# Altium PCB PcbForControllerMPPT.PcbDoc
Units mm, origin at the board's own origin, x right, y up, seen from the top; angles counter-clockwise.
Board outline 100 x 50 mm, 2 copper layers (Top Layer, Bottom Layer), stack 1.58 mm thick; 120 components, 74 nets, 443 pads, 0 vias.
Unrouted connection lines stored in the file: 279.
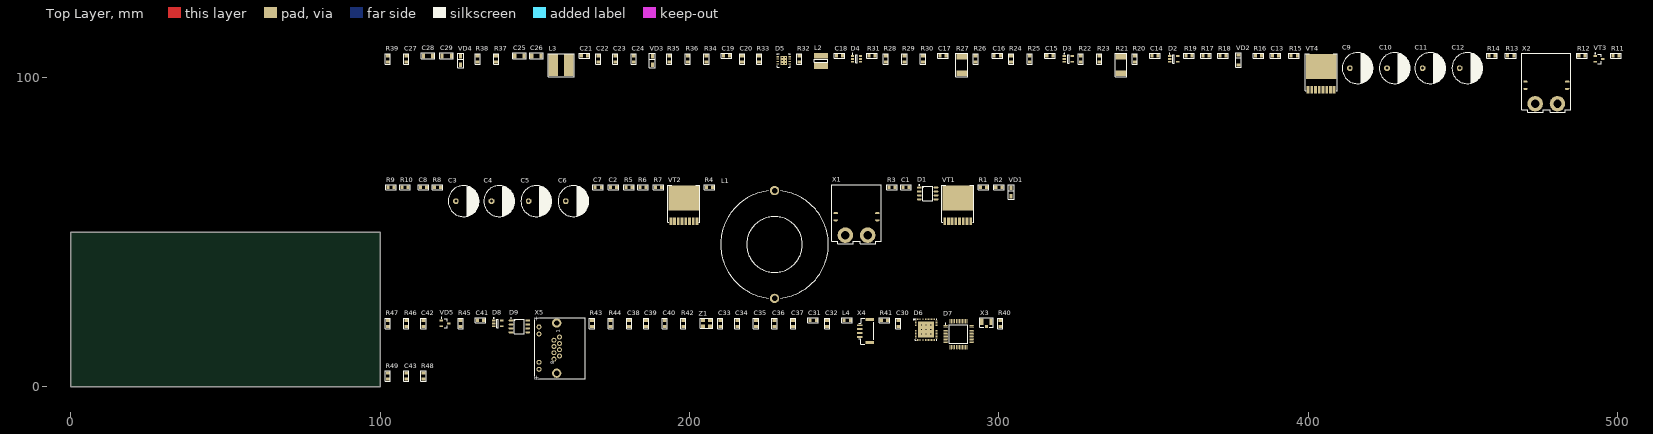
[diagram p0: Top Layer view]
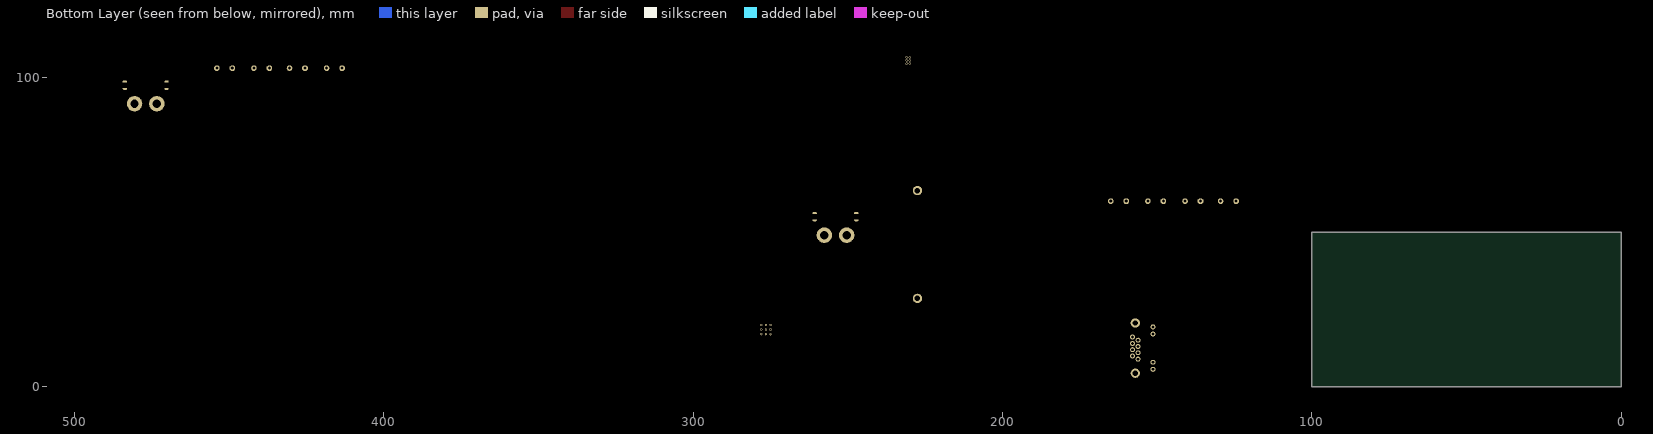
[diagram p1: Bottom Layer view, seen from below]

## Layer stack, top to bottom
Top Solder: solder mask 0.0102, Solder Resist, Dk 3.5
Top Layer: signal copper 0.0356
Dielectric 1: dielectric 1.509, FR-4, Dk 4.8
Bottom Layer: signal copper 0.0356
Bottom Solder: solder mask 0.0102, Solder Resist, Dk 3.5

## Board outline
0,0 100,0 100,50 0,50

## Design rules (kind name [scope] priority, off if disabled: settings)
BoardOutlineClearance [All] p1: gap=0.3 ignorepadtopadclearanceinfootprint=FALSE
Clearance Clearance_MultiLayerPad [OnLayer('Multi-Layer') and IsPad] p1: gap=0.2 ignorepadtopadclearanceinfootprint=FALSE except(0: Arc-Hole Track-Hole SMDPad-Hole THPad-Hole Via-Hole Fill-Hole Poly-Hole Region-Hole Text-Hole)
Clearance Clearance_Polygon [InPolygon] p2: gap=0.15 ignorepadtopadclearanceinfootprint=FALSE except(0: Arc-Hole Track-Hole SMDPad-Hole THPad-Hole Via-Hole Fill-Hole Poly-Hole Region-Hole Text-Hole; 0.2: Arc-Poly Arc-Region Track-Poly Track-Region SMDPad-Poly SMDPad-Region THPad-Poly THPad-Region Via-Poly Via-Region Fill-Poly Fill-Region Poly-Poly Poly-Region)
Clearance [All] p3: gap=0.15 ignorepadtopadclearanceinfootprint=FALSE except(0: Arc-Hole Track-Hole SMDPad-Hole THPad-Hole Via-Hole Fill-Hole Poly-Hole Region-Hole Text-Hole)
ComponentClearance [All] p1: gap=0.5 collisioncheckmode=3 verticalgap=0.5 showdistances=FALSE
DiffPairsRouting [All] p1: maxlimit=0.4 minlimit=0.15 mostfreqgap=0.3 toplayer_minwidth=0.15 toplayer_maxwidth=0.3 toplayer_prefwidth=0.15 bottomlayer_minwidth=0.15 bottomlayer_maxwidth=0.3 bottomlayer_prefwidth=0.15 maxuncoupledlength=12.7
Height [All] p1: minheight=0 maxheight=50 prefheight=12.7
HoleSize [All] p1: absolutevalues=TRUE maxlimit=10 minlimit=0.3 maxpercent=80.000 minpercent=20.000
HoleToHoleClearance [All] p1: gap=0.3 allowstackedmicrovias=TRUE
MinimumSolderMaskSliver [All] p1: minsoldermaskwidth=0.2
PlaneClearance [All] p1: clearance=0.5
PlaneConnect [All] p1: planeconnectstyle=Relief reliefexpansion=0.5 reliefentries=4 reliefconductorwidth=0.3 reliefairgap=0.2
PolygonConnect PolygonConnect_PadGND [InNet('GND') and IsPad] p1: connectstyle=Relief reliefconductorwidth=0.3 reliefentries=4 polygonreliefangle="90 Angle" airgapwidth=0.2
PolygonConnect PolygonConnect_Via [IsVia] p2: connectstyle=Direct reliefconductorwidth=0.254 reliefentries=4 polygonreliefangle="90 Angle" airgapwidth=0.254
PolygonConnect [All] p3: connectstyle=Relief reliefconductorwidth=0.3 reliefentries=4 polygonreliefangle="90 Angle" airgapwidth=0.2
RoutingVias [All] p1: holewidth=0.3 width=0.7 viastyle="Through Hole" minholewidth=0.3 minwidth=0.6 maxholewidth=0.5 maxwidth=1.2
SilkToSolderMaskClearance [IsPad] p1: minsilkscreentomaskgap=0.2 clearancetoexposedcopper=TRUE
SolderMaskExpansion [All] p1: expansion=0.075 istentingtop=FALSE
Width [All] p1: maxlimit=10 minlimit=0.15 preferedwidth=0.15
21 further rules are at their usual default settings.

## Classes and differential pairs
component class PowerConverter: C1 C2 C3 C4 C5 C6 C7 C8 C9 C10 C11 C12 C13 C14 C15 C16 C17 C18 C19 C20 C21 C22 C23 C24 C25 C26 C27 C28 C29 D1 D2 D3 D4 D5 L1 L2 L3 R1 R2 R3 R4 R5 R6 R7 R8 R9 R10 R11 R12 R13 R14 R15 R16 R17 R18 R19 R20 R21 R22 R23 R24 R25 R26 R27 R28 R29 R30 R31 R32 R33 R34 R35 R36 R37 R38 R39 VD1 VD2 VD3 VD4 VT1 VT2 VT3 VT4 X1 X2
component class ControlDSP: C30 C31 C32 C33 C34 C35 C36 C37 C38 C39 C40 C41 C42 C43 D6 D7 D8 D9 L4 R40 R41 R42 R43 R44 R45 R46 R47 R48 R49 VD5 X3 X4 X5 Z1

## Components (designator, comment, footprint, x,y, rotation, side; value= is the part's Value field where it differs from the comment)
C1 "Ceramic capacitor, 0.47μF, X7R, ±10%, 25V, 805, -55...+125°C" "CAP: 0805" 269.999,64.5 r0 top value=0.47μF
C2 "Ceramic capacitor, 2.2μF, X7R, ±10%, 25V, 805, -55...+125°C" "CAP: 0805" 175.499,64.5 r0 top value=2.2μF
C3 "Solid polymer capacitor, 330μF, 35V, ±20%, 18mOhm, 13x10x5 mm, -55...+105°C" "CAP: D10C5H12.5" 126.999,60 r0 top value=330μF
C4 "Solid polymer capacitor, 330μF, 35V, ±20%, 18mOhm, 13x10x5 mm, -55...+105°C" "CAP: D10C5H12.5" 138.499,60 r0 top value=330μF
C5 "Solid polymer capacitor, 330μF, 35V, ±20%, 18mOhm, 13x10x5 mm, -55...+105°C" "CAP: D10C5H12.5" 150.499,60 r0 top value=330μF
C6 "Solid polymer capacitor, 330μF, 35V, ±20%, 18mOhm, 13x10x5 mm, -55...+105°C" "CAP: D10C5H12.5" 162.499,60 r0 top value=330μF
C7 "Ceramic capacitor, 1μF, X7R, ±10%, 50V, 805, -55...+125°C" "CAP: 0805" 170.499,64.5 r0 top value=1μF
C8 "Ceramic capacitor, 0.01μF, X7R, ±10%, 50V, 805, -55...+125°C" "CAP: 0805" 114,64.5 r0 top value=0.01μF
C9 "Solid polymer capacitor, 68μF, 63V, ±20%, 25mOhm, 13x10x5 mm, -55...+105°C" "CAP: D10C5H12.5" 415.999,103 r0 top value=68μF
C10 "Solid polymer capacitor, 68μF, 63V, ±20%, 25mOhm, 13x10x5 mm, -55...+105°C" "CAP: D10C5H12.5" 427.999,103 r0 top value=68μF
C11 "Solid polymer capacitor, 68μF, 63V, ±20%, 25mOhm, 13x10x5 mm, -55...+105°C" "CAP: D10C5H12.5" 439.499,103 r0 top value=68μF
C12 "Solid polymer capacitor, 68μF, 63V, ±20%, 25mOhm, 13x10x5 mm, -55...+105°C" "CAP: D10C5H12.5" 451.499,103 r0 top value=68μF
C13 "Ceramic capacitor, 0.01μF, X7R, ±10%, 50V, 805, -55...+125°C" "CAP: 0805" 389.499,107 r0 top value=0.01μF
C14 "Ceramic capacitor, 470pF, X7R, ±10%, 50V, 805, -55...+125°C" "CAP: 0805" 350.499,107 r0 top value=470pF
C15 "Ceramic capacitor, 0.01μF, X7R, ±10%, 50V, 805, -55...+125°C" "CAP: 0805" 316.499,107 r0 top value=0.01μF
C16 "Ceramic capacitor, 470pF, X7R, ±10%, 50V, 805, -55...+125°C" "CAP: 0805" 299.499,107 r0 top value=470pF
C17 "Ceramic capacitor, 0.01μF, X7R, ±10%, 50V, 805, -55...+125°C" "CAP: 0805" 281.999,107 r0 top value=0.01μF
C18 "Ceramic capacitor, 0.01μF, X7R, ±10%, 50V, 805, -55...+125°C" "CAP: 0805" 248.499,107 r0 top value=0.01μF
C19 "Ceramic capacitor, 0.01μF, X7R, ±10%, 50V, 805, -55...+125°C" "CAP: 0805" 211.999,107 r0 top value=0.01μF
C20 "Ceramic capacitor, 2.2μF, X7R, ±10%, 25V, 805, -55...+125°C" "CAP: 0805" 216.999,106 r90 top value=2.2μF
C21 "Ceramic capacitor, 10μF, X7R, ±10%, 6.3V, 805, -55...+125°C" "CAP: 0805" 165.999,107 r0 top value=10μF
C22 "Ceramic capacitor, 10μF, X7R, ±10%, 6.3V, 805, -55...+125°C" "CAP: 0805" 170.499,106 r90 top value=10μF
C23 "Ceramic capacitor, 0.1μF, X7R, ±10%, 50V, 805, -55...+125°C" "CAP: 0805" 175.999,106 r90 top value=0.1μF
C24 "Ceramic capacitor, 0.1μF, X7R, ±10%, 50V, 805, -55...+125°C" "CAP: 0805" 181.999,106 r90 top value=0.1μF
C25 "Ceramic capacitor, 1μF, X7R, ±10%, 100V, 1206, -55...+125°C" "CAP: 1206" 144.999,107 r0 top value=1μF
C26 "Ceramic capacitor, 1μF, X7R, ±10%, 100V, 1206, -55...+125°C" "CAP: 1206" 150.499,107 r0 top value=1μF
C27 "Ceramic capacitor, 2.2μF, X7R, ±10%, 25V, 805, -55...+125°C" "CAP: 0805" 108.5,106 r90 top value=2.2μF
C28 "Ceramic capacitor, 10μF, X7R, ±10%, 25V, 1206, -55...+125°C" "CAP: 1206" 115.5,107 r0 top value=10μF
C29 "Ceramic capacitor, 10μF, X7R, ±10%, 25V, 1206, -55...+125°C" "CAP: 1206" 121.5,107 r0 top value=10μF
C30 "Ceramic capacitor, 0.1μF, X7R, ±10%, 50V, 805, -55...+125°C" "CAP: 0805" 267.499,20.5 r90 top value=0.1μF
C31 "Ceramic capacitor, 10μF, X7R, ±10%, 6.3V, 805, -55...+125°C" "CAP: 0805" 239.999,21.5 r0 top value=10μF
C32 "Ceramic capacitor, 0.1μF, X7R, ±10%, 50V, 805, -55...+125°C" "CAP: 0805" 244.499,20.5 r90 top value=0.1μF
C33 "Ceramic capacitor, 0.1μF, X7R, ±10%, 50V, 805, -55...+125°C" "CAP: 0805" 209.999,20.5 r90 top value=0.1μF
C34 "Ceramic capacitor, 0.1μF, X7R, ±10%, 50V, 805, -55...+125°C" "CAP: 0805" 215.499,20.5 r90 top value=0.1μF
C35 "Ceramic capacitor, 0.01μF, X7R, ±10%, 50V, 805, -55...+125°C" "CAP: 0805" 221.499,20.5 r90 top value=0.01μF
C36 "Ceramic capacitor, 2.2μF, X7R, ±10%, 25V, 805, -55...+125°C" "CAP: 0805" 227.499,20.5 r90 top value=2.2μF
C37 "Ceramic capacitor, 0.1μF, X7R, ±10%, 50V, 805, -55...+125°C" "CAP: 0805" 233.499,20.5 r90 top value=0.1μF
C38 "Ceramic capacitor, 0.1μF, X7R, ±10%, 50V, 805, -55...+125°C" "CAP: 0805" 180.499,20.5 r90 top value=0.1μF
C39 "Ceramic capacitor, 12pF, NPO, ±5%, 50V, 805, -55...+125°C" "CAP: 0805" 185.999,20.5 r90 top value=12pF
C40 "Ceramic capacitor, 12pF, NPO, ±5%, 50V, 805, -55...+125°C" "CAP: 0805" 191.999,20.5 r90 top value=12pF
C41 "Ceramic capacitor, 0.1μF, X7R, ±10%, 50V, 805, -55...+125°C" "CAP: 0805" 132.499,21.5 r0 top value=0.1μF
C42 "Ceramic capacitor, 0.1μF, X7R, ±10%, 50V, 805, -55...+125°C" "CAP: 0805" 114,20.5 r90 top value=0.1μF
C43 "Ceramic capacitor, 0.01μF, X7R, ±10%, 50V, 805, -55...+125°C" "CAP: 0805" 108.5,3.5 r90 top value=0.01μF
D1 "Half-bridge gate driver, 600V, 500kHz, ±4.3A, supply 9...18V, -40...+125°C, 8-SOIC" 8-SOIC 276.999,62.5 r0 top
D2 "IC op amplifier, Rail-to-Rail, 20 MHz, 2.7...5.5V, -40...+125°C, SOT23-5" SOT23-5 356.499,106 r0 top
D3 "IC op amplifier, Rail-to-Rail, 20 MHz, 2.7...5.5V, -40...+125°C, SOT23-5" SOT23-5 322.499,106 r0 top
D4 "DC/DC buck converter, input 4.5...18V, 1.4MHz, output 0.81...15V, 1.5A, -40...+85°C, SOT23-6" SOT23-6 253.999,106 r0 top
D5 "DC/DC buck converter, input 7.5...100V, 1MHz, output 1.225...90V, 0.6A, -40...+125°C, 8-WSON" "8-WSON (4x4)" 230.499,105.5 r0 top
D6 "IC RF transceiver, 802.11b/g/n + Bluetooth v4.2, 2.4GHz, 32-Bit, Xtensa LX6, 4Mb, 520KB, 2.7...3.6V, -40...+85°C, 48-LGA" "48-LGA (7x7)" 276.499,18.5 r0 top
D7 "IC microcontroller, 32-Bit, Cortex-M4, 72MHz, 16KB, 12KB, 2...3.6V, -40...+85°C, 48-LQFP" 48-LQFP 286.999,17 r0 top
D8 "IC memory, EEPROM, 1KB (128x8), 400 kHz, I2C, 1.7...5.5V, -40...+85°C, SOT-23-5" SOT23-5 137.999,20.5 r0 top
D9 "IC CAN transceiver, 1Mbps, Half-duplex, 3...3.6V, -40...+85°C, 8-SOIC" 8-SOIC 144.999,19.5 r0 top
L1 "Fixed inductor, 40μH, ±10%, R32.8/20.1/10.7, Kool Mu, µ=125, 127 нГн/витков2" "IND: R32.8/20.1/10.7 (L)" 227.499,46 r90 top value=40μH
L2 "Fixed inductor, 4.7μH, ±20%, SDR0403, 1.7A, -40...+125°C" "IND: SDR0403" 242.499,107 r0 top value=4.7μH
L3 "Fixed inductor, 220μH, ±10%, SDR0805, 490mA, -40...+125°C" "IND: SDR0805" 158.499,104 r0 top value=220μH
L4 "Fixed inductor, 10μH, ±20%, 805, 250mA, -55...+125°C" "IND: 0805" 250.999,21.5 r0 top value=10μH
R1 "Resistor film, 2R4, ±5%, 805, 0.125W, -55...+125°C" "RES: 0805" 294.999,64.5 r0 top value=2R4
R2 "Resistor film, 2R4, ±5%, 805, 0.125W, -55...+125°C" "RES: 0805" 299.999,64.5 r0 top value=2R4
R3 "Resistor film, 10k, ±5%, 805, 0.125W, -55...+125°C" "RES: 0805" 265.499,64.5 r0 top value=10k
R4 "Resistor film, 2R4, ±5%, 805, 0.125W, -55...+125°C" "RES: 0805" 206.499,64.5 r0 top value=2R4
R5 "Resistor film, 10k, ±5%, 805, 0.125W, -55...+125°C" "RES: 0805" 180.499,64.5 r0 top value=10k
R6 "Resistor film, 10k, ±5%, 805, 0.125W, -55...+125°C" "RES: 0805" 184.999,64.5 r0 top value=10k
R7 "Resistor film, 100k, ±1%, 805, 0.125W, -55...+125°C" "RES: 0805" 189.999,64.5 r0 top value=100k
R8 "Resistor film, 10k, ±5%, 805, 0.125W, -55...+125°C" "RES: 0805" 118.5,64.5 r0 top value=10k
R9 "Resistor film, 24k, ±1%, 805, 0.125W, -55...+125°C" "RES: 0805" 103.5,64.5 r0 top value=24k
R10 "Resistor film, 24k, ±1%, 805, 0.125W, -55...+125°C" "RES: 0805" 108,64.5 r0 top value=24k
R11 "Resistor film, 150R, ±5%, 805, 0.125W, -55...+125°C" "RES: 0805" 499.499,107 r0 top value=150R
R12 "Resistor film, 10k, ±5%, 805, 0.125W, -55...+125°C" "RES: 0805" 488.499,107 r0 top value=10k
R13 "Resistor film, 100k, ±1%, 805, 0.125W, -55...+125°C" "RES: 0805" 465.499,107 r0 top value=100k
R14 "Resistor film, 10k, ±5%, 805, 0.125W, -55...+125°C" "RES: 0805" 459.499,107 r0 top value=10k
R15 "Resistor film, 75k, ±1%, 805, 0.125W, -55...+125°C" "RES: 0805" 395.499,107 r0 top value=75k
R16 "Resistor film, 5k1, ±1%, 805, 0.125W, -55...+125°C" "RES: 0805" 383.999,107 r0 top value=5k1
R17 "Resistor film, 1k, ±1%, 805, 0.125W, -55...+125°C" "RES: 0805" 366.999,107 r0 top value=1k
R18 "Resistor film, 1k, ±1%, 805, 0.125W, -55...+125°C" "RES: 0805" 372.499,107 r0 top value=1k
R19 "Resistor film, 75k, ±1%, 805, 0.125W, -55...+125°C" "RES: 0805" 361.499,107 r0 top value=75k
R20 "Resistor film, 120R, ±5%, 805, 0.125W, -55...+125°C" "RES: 0805" 343.999,106 r90 top value=120R
R21 "Resistor film, 0R004, ±1%, 2512, 5W, -55...+170°C" "RES: CSS2H (2512)" 339.499,104 r90 top value=0R004
R22 "Resistor film, 1k, ±1%, 805, 0.125W, -55...+125°C" "RES: 0805" 326.499,106 r90 top value=1k
R23 "Resistor film, 1k, ±1%, 805, 0.125W, -55...+125°C" "RES: 0805" 332.499,106 r90 top value=1k
R24 "Resistor film, 1k, ±1%, 805, 0.125W, -55...+125°C" "RES: 0805" 303.999,106 r90 top value=1k
R25 "Resistor film, 1k, ±1%, 805, 0.125W, -55...+125°C" "RES: 0805" 309.999,106 r90 top value=1k
R26 "Resistor film, 120R, ±5%, 805, 0.125W, -55...+125°C" "RES: 0805" 292.499,106 r90 top value=120R
R27 "Resistor film, 0R004, ±1%, 2512, 5W, -55...+170°C" "RES: CSS2H (2512)" 287.999,104 r90 top value=0R004
R28 "Resistor film, 1k, ±1%, 805, 0.125W, -55...+125°C" "RES: 0805" 263.499,106 r90 top value=1k
R29 "Resistor film, 1k, ±1%, 805, 0.125W, -55...+125°C" "RES: 0805" 269.499,106 r90 top value=1k
R30 "Resistor film, 75k, ±1%, 805, 0.125W, -55...+125°C" "RES: 0805" 275.499,106 r90 top value=75k
R31 "Resistor film, 75k, ±1%, 805, 0.125W, -55...+125°C" "RES: 0805" 258.999,107 r0 top value=75k
R32 "Resistor film, 10k, ±5%, 805, 0.125W, -55...+125°C" "RES: 0805" 235.499,106 r90 top value=10k
R33 "Resistor film, 30k9, ±1%, 805, 0.125W, -55...+125°C" "RES: 0805" 222.499,106 r90 top value=30k9
R34 "Resistor film, 499k, ±1%, 805, 0.125W, -55...+125°C" "RES: 0805" 205.499,106 r90 top value=499k
R35 "Resistor film, 91k, ±1%, 805, 0.125W, -55...+125°C" "RES: 0805" 193.499,106 r90 top value=91k
R36 "Resistor film, 10k, ±1%, 805, 0.125W, -55...+125°C" "RES: 0805" 199.499,106 r90 top value=10k
R37 "Resistor film, 88k7, ±1%, 805, 0.125W, -55...+125°C" "RES: 0805" 137.499,106 r90 top value=88k7
R38 "Resistor film, 10k, ±1%, 805, 0.125W, -55...+125°C" "RES: 0805" 131.499,106 r90 top value=10k
R39 "Resistor film, 10k, ±1%, 805, 0.125W, -55...+125°C" "RES: 0805" 102.5,106 r90 top value=10k
R40 "Resistor film, 10k, ±5%, 805, 0.125W, -55...+125°C" "RES: 0805" 300.499,20.5 r90 top value=10k
R41 "Resistor film, 10k, ±5%, 805, 0.125W, -55...+125°C" "RES: 0805" 262.999,21.5 r0 top value=10k
R42 "Resistor film, 10k, ±5%, 805, 0.125W, -55...+125°C" "RES: 0805" 197.999,20.5 r90 top value=10k
R43 "Resistor film, 2k2, ±5%, 805, 0.125W, -55...+125°C" "RES: 0805" 168.499,20.5 r90 top value=2k2
R44 "Resistor film, 2k2, ±5%, 805, 0.125W, -55...+125°C" "RES: 0805" 174.499,20.5 r90 top value=2k2
R45 "Resistor film, 120R, ±5%, 805, 0.125W, -55...+125°C" "RES: 0805" 125.999,20.5 r90 top value=120R
R46 "Resistor film, 120R, ±5%, 805, 0.125W, -55...+125°C" "RES: 0805" 108.5,20.5 r90 top value=120R
R47 "Resistor film, 120R, ±5%, 805, 0.125W, -55...+125°C" "RES: 0805" 102.5,20.5 r90 top value=120R
R48 "NTC resistor, 4k7, ±5%, 805, 3650K, -55...+125°C" "RES: 0805" 114,3.5 r90 top value=4k7
R49 "Resistor film, 5k1, ±1%, 805, 0.125W, -55...+125°C" "RES: 0805" 102.5,3.5 r90 top value=5k1
VD1 "Schottky diode, 100V, 2A, 840mV, 15pF, SOD-123F, -55...+150°C" "DIODE: SOD123F" 303.999,63 r90 top
VD2 "Zener diode, 16V, 500mW, 0.9V, 16Ohm, SOD-123, -55...+150°C" "DIODE: SOD123" 377.499,104 r90 top
VD3 "Schottky diode, 100V, 2A, 840mV, 15pF, SOD-123F, -55...+150°C" "DIODE: SOD123F" 187.999,105.5 r90 top
VD4 "Schottky diode, 100V, 2A, 840mV, 15pF, SOD-123F, -55...+150°C" "DIODE: SOD123F" 125.999,105.5 r90 top
VD5 "TVS diode, 24V, 230W peak, 3A, 13pF, SOT-23, -40...+150°C" SOT23 121,20.5 r0 top
VT1 "MOSFET N-channel transistor, 100V, 150A, 87nC, 166W, 3.5mOhm, 6110pF, 8-HSOF, -55...+175°C" HSOF-8-1 282.499,53.5 r0 top
VT2 "MOSFET N-channel transistor, 100V, 150A, 87nC, 166W, 3.5mOhm, 6110pF, 8-HSOF, -55...+175°C" HSOF-8-1 193.999,53.5 r0 top
VT3 "MOSFET N-channel transistor, 30V, 5.3A, 2.6nC, 1.3W, 27mOhm, 382pF, SOT-23, -55...+150°C" SOT23 493.999,106 r0 top
VT4 "MOSFET N-channel transistor, 100V, 150A, 87nC, 166W, 3.5mOhm, 6110pF, 8-HSOF, -55...+175°C" HSOF-8-1 399.999,96 r0 top
X1 "Power connector, 2pin, 7.2mm, 500V, 60A" "CON: XT60PW-M" 253.999,49 r0 top
X2 "Power connector, 2pin, 7.2mm, 500V, 60A" "CON: XT60PW-M" 476.999,91.5 r0 top
X3 "Connector u.FL, 50 Ohm, 6GHz" "CON: u.Fl" 295.999,21 r0 top
X4 "Connector, 4pin, 1.25mm, 50VDC, 1A" "CON: SM04B-GHS" 259.499,18 r90 top
X5 "Etherner RJ-45 connector" "CON: RJ-45 (615008137421 / DS1128-09-S8B8S)" 160.499,12.5 r90 top
Z1 "Crystal, 8MHz, 12pF, ±30ppm, case 3225, -40...+85°C" "OSC: 3225" 205.499,20.5 r0 top

## Footprints (in the part's own frame and the unit in brackets; to place one, negate y for a bottom-side part, rotate by r counter-clockwise, add the part's x,y. Pads: shape width x height; smd on the part's side, far side on the other; paste and mask are expansions set on the pad)
8-SOIC [mm] "pitch 1.27 mm"
  rrect100% 1.55x0.6 smd: 1(-2.7,1.905) 2(-2.7,0.635) 3(-2.7,-0.635) 4(-2.7,-1.905) 5(2.7,-1.905) 6(2.7,-0.635) 7(2.7,0.635) 8(2.7,1.905)
  round 0.7 on Mech1: 28(-2.395,1.8)
  silkscreen extent -2.82,-2.3 1.61,2.82, body extent -3,-2.45 3,2.45, height 1.75
"8-WSON (4x4)" [mm] "4x4 mm, pitch 0.8 mm, power pad"
  round 0.7 hole 0.3: 0(-0.5,-1) 0(-0.5,0) 0(-0.5,1) 0(0.5,-1) 0(0.5,0) 0(0.5,1)
  rect 2.2x3 smd paste-1.1: 0(0,0)
  rect 0.8x0.35 smd: 1(-1.9,1.2) 2(-1.9,0.4) 3(-1.9,-0.4) 4(-1.9,-1.2) 5(1.9,-1.2) 6(1.9,-0.4) 7(1.9,0.4) 8(1.9,1.2)
  round 0.5 on Top Overlay: ""(-2.7,2)
  round 0.5 on Mech1: ""(-1.6,1.6)
  silkscreen extent -2.15,-2.15 2.15,2.15, body extent -2.05,-2 2.05,2, height 0.8
"48-LGA (7x7)" [mm] "7x7 mm, pitch 0.5 mm, power pad"
  round 0.7 hole 0.3 mask+0.102: 0(-1.5,-1.5) 0(-1.5,0) 0(-1.5,1.5) 0(0,-1.5) 0(0,0) 0(0,1.5) 0(1.5,-1.5) 0(1.5,0) 0(1.5,1.5)
  rect 5.2x5.2 smd mask+0.05: 0(0,0)
  rect 0.6x0.25 smd mask+0.05: 1(-3.35,2.75) 2(-3.35,2.25) 3(-3.35,1.75) 4(-3.35,1.25) 5(-3.35,0.75) 6(-3.35,0.25) 7(-3.35,-0.25) 8(-3.35,-0.75) 9(-3.35,-1.25) 10(-3.35,-1.75) 11(-3.35,-2.25) 12(-3.35,-2.75) 25(3.35,-2.75) 26(3.35,-2.25) 27(3.35,-1.75) 28(3.35,-1.25) 29(3.35,-0.75) 30(3.35,-0.25) 31(3.35,0.25) 32(3.35,0.75) 33(3.35,1.25) 34(3.35,1.75) 35(3.35,2.25) 36(3.35,2.75)
  rect 0.25x0.6 smd mask+0.05: 13(-2.75,-3.35) 14(-2.25,-3.35) 15(-1.75,-3.35) 16(-1.25,-3.35) 17(-0.75,-3.35) 18(-0.25,-3.35) 19(0.25,-3.35) 20(0.75,-3.35) 21(1.25,-3.35) 22(1.75,-3.35) 23(2.25,-3.35) 24(2.75,-3.35) 37(2.75,3.35) 38(2.25,3.35) 39(1.75,3.35) 40(1.25,3.35) 41(0.75,3.35) 42(0.25,3.35) 43(-0.25,3.35) 44(-0.75,3.35) 45(-1.25,3.35) 46(-1.75,3.35) 47(-2.25,3.35) 48(-2.75,3.35)
  round 0.5 on Mech1: ""(-3,3)
  silkscreen extent -4.12,-3.5 3.5,3.5, body extent -3.5,-3.5 3.5,3.5, height 1
48-LQFP [mm] "QFP, 48-Leads, Body 7x7mm, Pitch 0.5mm, IPC Medium Density"
  oval 1.4x0.3 smd: 1(-4.2,2.75) 2(-4.2,2.25) 3(-4.2,1.75) 4(-4.2,1.25) 5(-4.2,0.75) 6(-4.2,0.25) 7(-4.2,-0.25) 8(-4.2,-0.75) 9(-4.2,-1.25) 10(-4.2,-1.75) 11(-4.2,-2.25) 12(-4.2,-2.75) 25(4.2,-2.75) 26(4.2,-2.25) 27(4.2,-1.75) 28(4.2,-1.25) 29(4.2,-0.75) 30(4.2,-0.25) 31(4.2,0.25) 32(4.2,0.75) 33(4.2,1.25) 34(4.2,1.75) 35(4.2,2.25) 36(4.2,2.75)
  oval 0.3x1.4 smd: 13(-2.75,-4.2) 14(-2.25,-4.2) 15(-1.75,-4.2) 16(-1.25,-4.2) 17(-0.75,-4.2) 18(-0.25,-4.2) 19(0.25,-4.2) 20(0.75,-4.2) 21(1.25,-4.2) 22(1.75,-4.2) 23(2.25,-4.2) 24(2.75,-4.2) 37(2.75,4.2) 38(2.25,4.2) 39(1.75,4.2) 40(1.25,4.2) 41(0.75,4.2) 42(0.25,4.2) 43(-0.25,4.2) 44(-0.75,4.2) 45(-1.25,4.2) 46(-1.75,4.2) 47(-2.25,4.2) 48(-2.75,4.2)
  round 0.5 on Mech1: ""(-4,4)
  silkscreen extent -4.32,-3 3,3.52, body extent -4.5,-4.5 4.5,4.5, height 1.6
"CAP: 0805" [mm]
  rect 1x1.25 smd: 1(-1,0) 2(1,0)
  silkscreen extent -1.7,-0.82 1.7,0.82, body extent -1,-0.62 1,0.63, height 0.78
"CAP: 1206" [mm]
  rect 1x1.6 smd: 1(-1.5,0) 2(1.5,0)
  silkscreen extent -2.2,-1 2.2,1, body extent -1.6,-0.8 1.6,0.8, height 1
"CAP: D10C5H12.5" [mm]
  oct 1.8x1.8 hole 1: 1(-2.5,0)
  round 1.8 hole 1: 2(2.5,0)
  silkscreen extent -5,-5 5,5, body extent -5.25,-5.25 5.25,5.25, height 14.05
"CON: RJ-45 (615008137421 / DS1128-09-S8B8S)" [mm]
  round 1.6 hole 0.9: 1(3.57,2.54) 2(2.55,4.32) 3(1.503,2.54) 4(0.501,4.32) 5(-0.501,2.54) 6(-1.503,4.32) 7(-2.55,2.54) 8(-3.57,4.32) 9(6.86,9.14) 10(4.57,9.14) 11(-4.57,9.14) 12(-6.86,9.14)
  round 3 hole 1.7: MH(-8.125,3.43) MH(8.125,3.43)
  round 0 hole 3.25: MH(-6.35,0) MH(6.35,0)
  silkscreen extent -9.87,-5.85 9.87,10.6, body extent -9.88,-5.86 9.88,10.6, height 15.23
"CON: SM04B-GHS" [mm]
  rect 1x2.7 smd: 0(-3.725,1.225) 0(3.725,1.225)
  rect 0.6x1.7 smd: 1(-1.875,4.425) 2(-0.625,4.425) 3(0.625,4.425) 4(1.875,4.425)
  round 0.5 on Mech13: ""(-3.65,4.4)
  round 0.5 on Top Overlay: ""(-2.95,4.625)
  silkscreen extent -4.2,-0.03 4.2,4.85, body extent -4.1,0 4.15,4.85, height 4.32
"CON: u.Fl" [mm]
  rect 1x1.05 smd: 1(0,-1.525)
  rect 1.05x2.2 smd: 2(-1.475,0) 2(1.475,0)
  silkscreen extent -2.2,-1.81 2.2,1.31, body extent -1.5,-1.71 1.5,1.14, height 1.27
"CON: XT60PW-M" [mm]
  round 5 hole 2.7: 1(-3.6,0) 2(3.6,0)
  rrect50% 1.4x3 hole 1.7 square: MH(-6.75,6) MH(6.75,6)
  silkscreen extent -7.95,-2.75 7.95,16.35, body extent -7.95,-1.95 7.95,16.35, height 8.5
"DIODE: SOD123" [mm]
  rect 0.91x1.22 smd: 1(0,0) 2(3.275,0)
  silkscreen extent -0.65,-0.9 3.93,0.9, body extent -0.25,-0.8 3.45,0.8, height 1.25
"DIODE: SOD123F" [mm]
  rect 1.5x1 smd: 1(-1.375,0) 2(1.375,0)
  silkscreen extent -2.32,-0.95 2.32,0.95, body extent -1.87,-0.85 1.88,0.85, height 1.23
HSOF-8-1 [mm] "8-HSOF"
  rect 0.9x2.4 smd: 1(0,0) 3(1.2,0) 3(2.4,0) 3(3.6,0) 3(4.8,0) 3(6,0) 3(7.2,0) 3(8.4,0)
  rect 10x8 smd: 2(4.25,7.5)
  silkscreen extent -0.95,-0.38 9.35,11.7, body extent -0.75,-0.83 9.15,10.85, height 2.3
"IND: 0805" [mm]
  rect 1x1.25 smd: 1(-1,0) 2(1,0)
  silkscreen extent -1.7,-0.82 1.7,0.82, body extent -1,-0.62 1,0.63, height 0.85
"IND: R32.8/20.1/10.7 (L)" [mm]
  round 3 hole 1.8: 1(-17.427,0) 2(17.425,0)
  silkscreen extent -17.31,-17.43 17.31,17.43, body extent -17.43,-17.4 17.43,17.4, height 12.84
"IND: SDR0403" [mm]
  rect 4.5x1.8 smd: 1(0,0) 2(0,-3.3)
  silkscreen extent -2.2,-2.1 2.2,-1.2, body extent -2.25,-3.9 2.25,0.6, height 3.5
"IND: SDR0805" [mm]
  rect 3x7 smd: 1(-2.5,0) 2(2.5,0)
  silkscreen extent -4.2,-3.7 4.2,3.7, body extent -3.68,-3.75 3.68,3.75, height 5.08
"OSC: 3225" [mm]
  rect 1.3x1.05 smd: 1(-1.15,-0.925) 2(1.15,-0.925) 3(1.15,0.925) 4(-1.15,0.925)
  round 0.5 on Top Overlay: ""(-2.5,-1.5)
  silkscreen extent -2,-1.65 2,1.65, body extent -1.6,-1.25 1.6,1.25, height 0.81